# Altium PCB Luchador Pcb.PcbDoc (part 1 of 4) (continued)
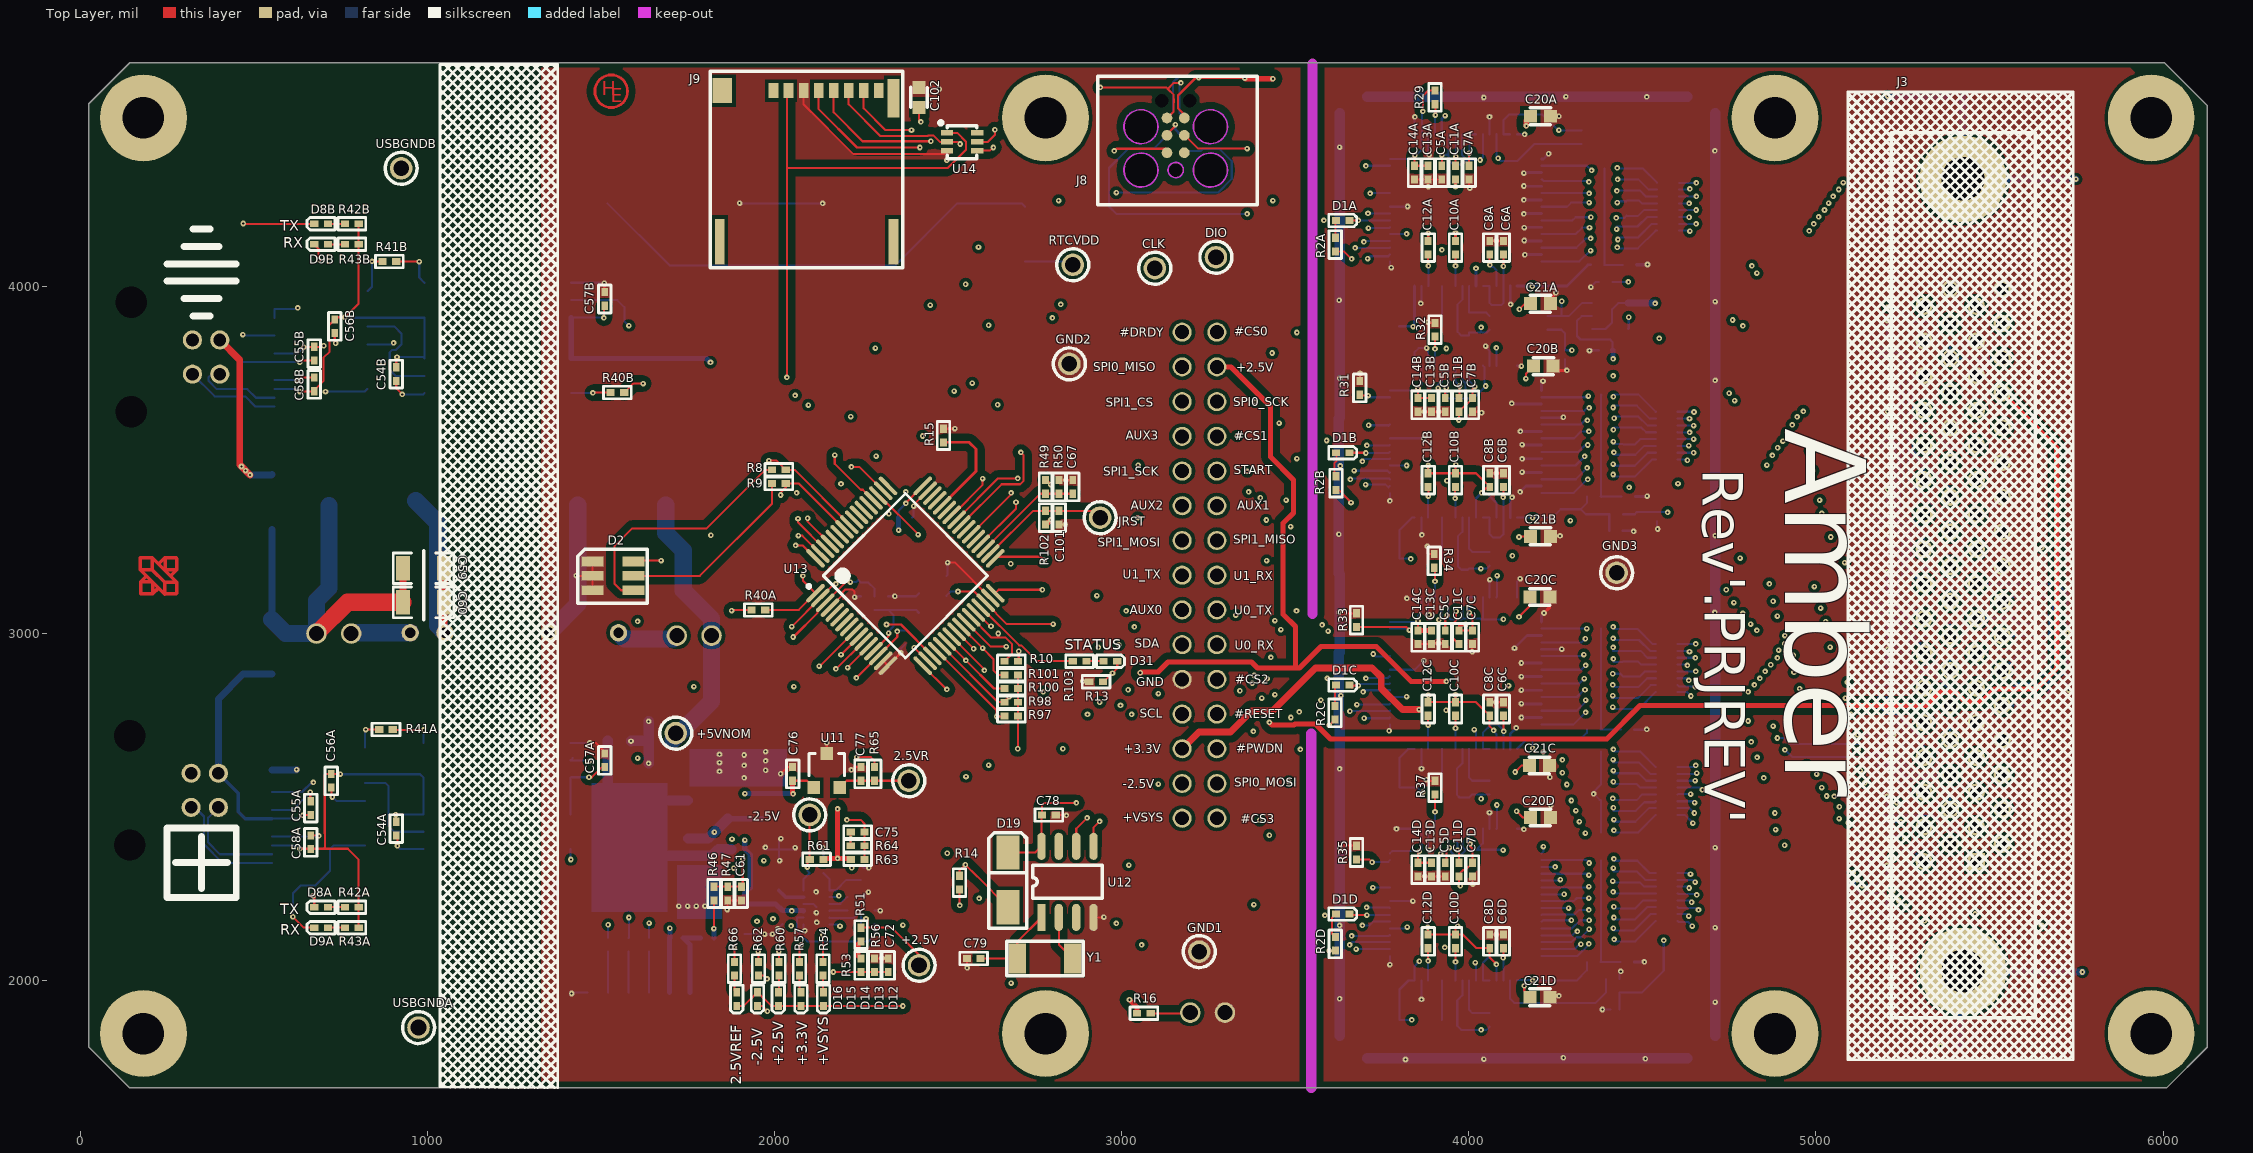
[diagram p0: Top Layer view]
## Part data (continued)
C5A C5B C5C C5D C7A C7B C7C C7D C10A C10B C10C C10D C12A C12B C12C C12D C13A C13B C13C C13D C47 C49 C54A C54B C55A C55B C56A C56B C57A C57B C58A C58B C61 C67 C70 C72 C73 C75 C76 C77 C78 C95 C98: library part Cap, "CAP .1UF 50V CERAMIC Y5V 0805", Capacitance=1µF, Manufacturer=TDK, Manufacturer Part Number=CGB2A1JB1C105K033BC, Operating Temperature="-25°C ~ 85°C", Package / Case="0402 (1005 Metric)", PCN Part Number="MLCC Part Number Change 30/Nov/2012", Standard Package=1, Supplier Part Number 1=445-12011-1-ND, Temperature Coefficient=JB, Tolerance=±10%, Voltage - Rated=16V, Applications="General Purpose", Category=Capacitors, ComponentLink1Description=https://product.tdk.com/info/en/catalog/datasheets/mlcc_commercial_lowprofile_en.pdf, ComponentLink1URL=https://product.tdk.com/info/en/catalog/datasheets/mlcc_commercial_lowprofile_en.pdf, ComponentLink2Description=https://product.tdk.com/info/en/catalog/spec/mlccspec_commercial_lowprofile_en.pdf, ComponentLink2URL=https://product.tdk.com/info/en/catalog/spec/mlccspec_commercial_lowprofile_en.pdf, ComponentLink3Description=http://product.tdk.com/en/catalog/datasheets/mlcc_commercial_lowprofile_en.pdf, ComponentLink3URL=http://product.tdk.com/en/catalog/datasheets/mlcc_commercial_lowprofile_en.pdf, Description1="1µF ±10% 16V JB Ceramic Capacitor -25°C ~ 85°C Surface Mount, MLCC 0402 (1005 Metric) 0.039\" L x 0.020\" W (1.00mm x 0.50mm)", EDA / CAD Models="Download from Accelerated Designs", Family="Ceramic Capacitors", Featured Product="CGB Series Capacitors CH and JB Temperature Coefficient Capacitors", Features="Low Profile", Mounting Type="Surface Mount, MLCC", Online Catalog="CGB Series", Other Names=445-12011-6, Packaging=Digi-Reel®, Pricing 1="1=0.22, 10=0.151, 100=0.0765, 500=0.0523, 1000=0.0463, 2500=0.0443, 5000=0.0403 (USD)", Product Training Modules="SEAT, CCV, and TVCL Design Tools Guide to Replacing an Electrolytic Capacitor with an MLCC", Revision="July-2002: Re-released for DXP Platform.", RoHS Information="RoHS Certificate-MLCC", Series=CGB, Size / Dimension="0.039\" L x 0.020\" W (1.00mm x 0.50mm)", Stock 1=7430, Supplier 1=Digi-Key, Thickness (Max)="0.013\" (0.33mm)"
C9A C9B C9C C9D: "Polarized Capacitor (Radial)", Capacitance="100 uF", Case Code - in=1411, Case Code - mm=6032, Case Length="3.5 mm", Case Width="2.8 mm", Manufacturer=KEMET, Manufacturer Part Number=T520T107M004ATE070, Mfr Case Code="T Case", Operating Temperature Range="- 55 C to + 105 C", Package / Case="1411 (3528 metric)", Supplier Part Number 1=399-5289-1-ND, Tolerance="20 %", Voltage Rating="4 V", Brand=Kemet, ComponentLink1Description=https://datasheet.ciiva.com/260/kem-t2015-t520-260217.pdf, ComponentLink1URL=https://datasheet.ciiva.com/260/kem-t2015-t520-260217.pdf, ComponentLink2Description=https://datasheet.ciiva.com/260/kem-t2015-t520-260218.pdf, ComponentLink2URL=https://datasheet.ciiva.com/260/kem-t2015-t520-260218.pdf, ComponentLink3Description=https://datasheet.ciiva.com/260/kem-t2015-t520-260219.pdf, ComponentLink3URL=https://datasheet.ciiva.com/260/kem-t2015-t520-260219.pdf, Description1="CAP TANT POLY 100UF 4V 1411", Dimensions="2.8 mm W x 3.5 mm L", ESR="70 mOhms", Factory Pack Quantity=2500, Height="1.2 mm", Packaging=Reel, Pricing 1="1=1.61, 10=1.268, 100=0.9509, 500=0.7185, 1000=0.6339 (USD)", Product="Tantalum Organic Polymer Low ESR", Product Category="Tantalum Capacitors - Polymer SMD", RoHS=Details, Series="T520, PSL", Stock 1=31834, Supplier 1=Digi-Key, Termination Style=SMD/SMT, Tradename=KO-CAP, Type="Conductive Polymer Chip Capacitors", Voltage Rating DC="4 V"
C15 C53: library part Cap, "CAP .1UF 50V CERAMIC Y5V 0805", Capacitance="4700 pF", Case Size/Dimension=0402, Dielectric=X7R, Manufacturer=Murata, Manufacturer Part Number=GCM155R71H472KA37D, Rated Voltage="50 V", Supplier Part Number 1=490-4915-1-ND, Tolerance (%)="±10 %", ComponentLink1Description=https://datasheet.ciiva.com/26843/getdatasheetpartid-724237-26843665.pdf, ComponentLink1URL=https://datasheet.ciiva.com/26843/getdatasheetpartid-724237-26843665.pdf, ComponentLink2Description=https://datasheet.ciiva.com/17453/product-17453667.pdf, ComponentLink2URL=https://datasheet.ciiva.com/17453/product-17453667.pdf, ComponentLink3Description=https://datasheet.ciiva.com/2989/product-2989236.pdf, ComponentLink3URL=https://datasheet.ciiva.com/2989/product-2989236.pdf, ComponentLink4Description=https://datasheet.ciiva.com/155/product-155869.pdf, ComponentLink4URL=https://datasheet.ciiva.com/155/product-155869.pdf, ComponentLink5Description=https://datasheet.ciiva.com/16440/product-16440397.pdf, ComponentLink5URL=https://datasheet.ciiva.com/16440/product-16440397.pdf, ComponentLink6Description=https://datasheet.ciiva.com/155/product-155870.pdf, ComponentLink6URL=https://datasheet.ciiva.com/155/product-155870.pdf, ComponentLink7Description=https://datasheet.ciiva.com/155/product-155871.pdf, ComponentLink7URL=https://datasheet.ciiva.com/155/product-155871.pdf, Description1="CAP CER 4700PF 50V X7R 0402", Pricing 1="1=0.1, 10=0.047, 100=0.021, 500=0.015, 1000=0.0118, 2500=0.0107, 5000=0.0099 (USD)", Revision="July-2002: Re-released for DXP Platform.", Stock 1=100000, Supplier 1=Digi-Key
C16 C17 C19: "Polarized Capacitor (Radial)", Capacitance=150µF, ESR (Equivalent Series Resistance)="5 mOhm", Lifetime @ Temp.="2000 Hrs @ 105°C", Manufacturer=KEMET, Manufacturer Part Number=T530D157M010ATE005, Manufacturer Size Code=D, Operating Temperature="-55°C ~ 125°C", Package / Case="2917 (7343 Metric)", Standard Package=500, Supplier Part Number 1=399-10369-1-ND, Tolerance=±20%, Voltage - Rated=10V, Category=Capacitors, Description1="Cap Tant Organic 150uF 10VDC D CASE 20% (7.3 X 4.3 X 2.8mm) SMD 7343-31 0.005 Ohm 125C T/R", EDA / CAD Models="Download from Accelerated Designs", Family="Tantalum - Polymer Capacitors", Featured Product="KO-CAP Organic Polymer Capacitors  T530 Series Polymer Electrolytic Capacitors", Features="General Purpose", Height - Seated (Max)="0.122\" (3.10mm)", Lead Spacing=-, Mounting Type="Surface Mount", Online Catalog="KO Cap T530 Series", Other Names=399-10369-2, Packaging="Tape & Reel (TR)", PCN Design/Specification="TA Polymer SMD Black Epoxy Conversion 24/Oct/2014", Pricing 1="1=5.98, 10=5.313, 100=4.2504 (USD)", Series="KO-CAP T530", Size / Dimension="0.287\" L x 0.169\" W (7.30mm x 4.30mm)", Stock 1=6616, Supplier 1=Digi-Key, Type=Molded
C18 C59 C60 C62 C63 C68 C69: library part Cap, "CAP .1UF 50V CERAMIC Y5V 0805", Capacity (elec.)="10 µF", Manufacturer=Murata, Manufacturer Part Number=GRM31CR71C106KA12L, Nominal voltage="16 V", Supplier Part Number 1=490-10526-2-ND, Tolerance="10 %", Category="Ceramic capacitor", ComponentLink1Description=https://datasheet.ciiva.com/22774/608985-22774038.pdf, ComponentLink1URL=https://datasheet.ciiva.com/22774/608985-22774038.pdf, ComponentLink2Description=https://datasheet.ciiva.com/17454/c02e-17454536.pdf, ComponentLink2URL=https://datasheet.ciiva.com/17454/c02e-17454536.pdf, ComponentLink3Description=https://datasheet.ciiva.com/11607/c02e-11607499.pdf, ComponentLink3URL=https://datasheet.ciiva.com/11607/c02e-11607499.pdf, ComponentLink4Description=https://datasheet.ciiva.com/18697/c02e-18697819.pdf, ComponentLink4URL=https://datasheet.ciiva.com/18697/c02e-18697819.pdf, ComponentLink5Description=https://datasheet.ciiva.com/7937/608985-7937740.pdf, ComponentLink5URL=https://datasheet.ciiva.com/7937/608985-7937740.pdf, ComponentLink6Description=https://datasheet.ciiva.com/18697/c02e-18697820.pdf, ComponentLink6URL=https://datasheet.ciiva.com/18697/c02e-18697820.pdf, ComponentLink7Description=https://datasheet.ciiva.com/18697/c02e-18697821.pdf, ComponentLink7URL=https://datasheet.ciiva.com/18697/c02e-18697821.pdf, ComponentLink8Description=https://datasheet.ciiva.com/29202/451342-da-01-de-vs-kondens-grm31-cr71c-106ka12l-29202404.pdf, ComponentLink8URL=https://datasheet.ciiva.com/29202/451342-da-01-de-vs-kondens-grm31-cr71c-106ka12l-29202404.pdf, ComponentLink9Description=https://datasheet.ciiva.com/29202/450988-da-01-de-vs-chip-kond-1206-10-0-uf-10pr-16-0v-x7r-29202582.pdf, ComponentLink9URL=https://datasheet.ciiva.com/29202/450988-da-01-de-vs-chip-kond-1206-10-0-uf-10pr-16-0v-x7r-29202582.pdf, Content="1 pc(s)", Description1="MURATA   GRM31CR71C106KA12L   SMD Multilayer Ceramic Capacitor, 10 F,  10%, X7R, 16 V, 1206 [3216 Metric]", Material=Ceramic, Material properties=X7R, Pricing 1="2000=0.08 (USD)", Revision="July-2002: Re-released for DXP Platform.", Stock 1=0, Supplier 1=Digi-Key, Type=SMD
C48 C50: library part Cap, "CAP .1UF 50V CERAMIC Y5V 0805", Capacitance="0.01 uF", Case Code - in=0402, Case Code - mm=1005, Dielectric=X7R, Manufacturer="American Technical Ceramics", Manufacturer Part Number=520L103KT16T, Maximum Operating Temperature="+ 125 C", Minimum Operating Temperature="- 55 C", Package / Case="0402 (1005 metric)", Supplier Part Number 1=1284-1540-1-ND, Tolerance="10 %", Voltage Rating DC="16 VDC", Brand="American Technical Ceramics (ATC)", ComponentLink1Description=https://datasheet.ciiva.com/15214/getdatasheetpartid-566935-15214265.pdf, ComponentLink1URL=https://datasheet.ciiva.com/15214/getdatasheetpartid-566935-15214265.pdf, ComponentLink2Description=https://datasheet.ciiva.com/24070/520l-261941-24070397.pdf, ComponentLink2URL=https://datasheet.ciiva.com/24070/520l-261941-24070397.pdf, Description1="Multilayer Ceramic Capacitors MLCC - SMD/SMT 16volts 0.01uF 10%", Factory Pack Quantity=1000, Packaging=Reel, Part # Aliases="520L103KT ATC520L103KT ATC520L103KT16T", Pricing 1="1=0.98, 10=0.748, 100=0.535 (USD)", Product="RF Microwave / High Q", Product Category="Multilayer Ceramic Capacitors MLCC - SMD/SMT", Revision="July-2002: Re-released for DXP Platform.", RoHS=Details, Series=520L, Stock 1=206115, Supplier 1=Digi-Key, Termination Style=SMD/SMT, Type="Broadband Multilayer Capacitor"
C71 C74: library part Cap, "CAP .1UF 50V CERAMIC Y5V 0805", Capacitance Value="2.2 uF", Dielectric=X5R, Manufacturer=Samsung, Manufacturer Part Number=CL05A225KO5NQNC, Operating Temperature="-55 to 85 °C", Package/Case=0402, Supplier Part Number 1=1276-1461-1-ND, Tolerance="10 %", Voltage="16 Vdc", Category="Capacitor Ceramic Multilayer", ComponentLink1Description=https://datasheet.ciiva.com/26838/getdatasheetpartid-357511-26838176.pdf, ComponentLink1URL=https://datasheet.ciiva.com/26838/getdatasheetpartid-357511-26838176.pdf, ComponentLink2Description=https://datasheet.ciiva.com/25724/cl05a225ko5nqnc-25724388.pdf, ComponentLink2URL=https://datasheet.ciiva.com/25724/cl05a225ko5nqnc-25724388.pdf, Construction=Flat, Description1="Cap Ceramic 2.2uF 16V X5R 10% SMD 0402 85C Cardboard T/R", Mounting="Surface Mount", Packaging="Tape & Reel", Pricing 1="1=0.58, 10=0.41, 100=0.27, 500=0.2, 1000=0.17, 2500=0.16, 5000=0.15 (USD)", Product Depth="0.5 mm", Product Height="0.5 mm", Product Length="1 mm", Rad Hard=No, Revision="July-2002: Re-released for DXP Platform.", Stock 1=100000, Supplier 1=Digi-Key
C79: library part Cap, "CAP .1UF 50V CERAMIC Y5V 0805", Capacitance="15 pF", Dielectric="C0G (NP0)", Manufacturer=Johanson, Manufacturer Part Number=500R07N150JV4T, Maximum Operating Temperature="+ 125 C", Minimum Operating Temperature="- 55 C", Supplier Part Number 1=709-1118-1-ND, Tolerance="5 %", Voltage Rating DC="50 VDC", Brand="Johanson Dielectrics", ComponentLink1Description=https://datasheet.ciiva.com/26934/getdatasheetpartid-85139-26934162.pdf, ComponentLink1URL=https://datasheet.ciiva.com/26934/getdatasheetpartid-85139-26934162.pdf, Description1="Cap Ceramic 15pF 50V C0G 5% SMD 0402 125C Paper T/R", Factory Pack Quantity=10000, Packaging=Reel, Pricing 1="1=0.14, 10=0.103, 100=0.0458, 500=0.0327, 1000=0.0257, 2500=0.0233, 5000=0.0215 (USD)", Product="General Type MLCCs", Product Category="Multilayer Ceramic Capacitors MLCC - SMD/SMT", Revision="July-2002: Re-released for DXP Platform.", RoHS=Details, Stock 1=100000, Supplier 1=Digi-Key, Type="Surface Mount MLCC"
D1A D1B D1C D1D: "Typical INFRARED GaAs LED", If - Forward Current="30 mA", Illumination Color=Orange, Lens Color/Style="Water Clear", Manufacturer=Vishay, Manufacturer Part Number=VLMO1500-GS08, Maximum Operating Temperature="+ 85 C", Minimum Operating Temperature="- 30 C", Package / Case="0402 (1005 metric)", Power Rating="75 mW", Supplier Part Number 1=VLMO1500-GS08CT-ND, Vf - Forward Voltage="2 V", Wavelength/Color Temperature="605 nm", Brand="Vishay Semiconductors", ComponentLink1Description=https://datasheet.ciiva.com/13945/vlmo1500-13945355.pdf, ComponentLink1URL=https://datasheet.ciiva.com/13945/vlmo1500-13945355.pdf, ComponentLink2Description=https://datasheet.ciiva.com/13945/vlmo1500-13945356.pdf, ComponentLink2URL=https://datasheet.ciiva.com/13945/vlmo1500-13945356.pdf, ComponentLink3Description=https://datasheet.ciiva.com/13945/vlmo1500-13945357.pdf, ComponentLink3URL=https://datasheet.ciiva.com/13945/vlmo1500-13945357.pdf, Description1="Standard LEDs - SMD 0402 SOFT ORANGE Non-Diff", Factory Pack Quantity=9000, Height="0.35 mm", Length="1 mm", Luminous Intensity="90 mcd", Mounting Style=SMD/SMT, Packaging=Reel, Pricing 1="1=0.53, 10=0.38, 25=0.2916, 100=0.1901, 250=0.1394, 500=0.1183, 1000=0.0972 (USD)", Product Category="Standard LEDs - SMD", RoHS=True, Series=VLMx, Stock 1=194938, Supplier 1=Digi-Key, Tradename=ChipLED, Viewing Angle="130 deg", Width="0.5 mm"
D2: Color="Red, Green, Blue (RGB)", Current - Test="20mA Red, 20mA Green, 20mA Blue", Lens Color=-, Manufacturer="Broadcom Avago", Manufacturer Part Number=ASMB-TTB0-0A3A2, Millicandela Rating="790mcd Red, 2400mcd Green, 500mcd Blue", Package / Case="6-SMD, J-Lead", Supplier Device Package=6-PLCC, Supplier Part Number 1=516-3281-1-ND, Voltage - Forward (Vf) (Typ)="2.1V Red, 3.1V Green, 3.1V Blue", Category=Optoelectronics, Description1="BROADCOM LIMITED   ASMB-TTB0-0A3A2   LED, RGB, Red, Green, Blue, R 790mcd, G 2.4cd, B 500mcd, 115 , R 2.1V, G 3.1V, B 3.1V", Family="LED Indication - Discrete", Features=-, Height (Max)=2.80mm, Lens Style/Size="Round with Flat Top", Lens Transparency=Diffused, Mounting Type="Surface Mount", Packaging="Tape & Reel (TR)", Pricing 1="1=1.57, 10=1.272, 25=0.9788, 100=0.8809, 250=0.783, 500=0.6656, 1000=0.5481 (USD)", Series=-, Size / Dimension="3.50mm L x 3.50mm W", Stock 1=165716, Supplier 1=Digi-Key, Viewing Angle=115°, Wavelength - Dominant="621nm Red, 530nm Green, 470nm Blue", Wavelength - Peak="635nm Red, 521nm Green, 464nm Blue"
D6 D7 D20: Manufacturer="Texas Instruments", Supplier Part Number 1=296-47864-1-ND, Manufacturer Part Number=TPD1E0B04DPYR, Pricing 1="1=0.43, 10=0.346, 100=0.2353, 500=0.1765, 1000=0.1324 (USD)", Stock 1=6850, Supplier 1=Digi-Key
D8A D8B D9A D9B D12 D13 D14 D15 D16 D31: library part LED0_1, "Typical INFRARED GaAs LED", If - Forward Current="30 mA", Illumination Color=Orange, Lens Color/Style="Water Clear", Manufacturer=Vishay, Manufacturer Part Number=VLMO1500-GS08, Maximum Operating Temperature="+ 85 C", Minimum Operating Temperature="- 30 C", Package / Case="0402 (1005 metric)", Power Rating="75 mW", Supplier Part Number 1=VLMO1500-GS08CT-ND, Vf - Forward Voltage="2 V", Wavelength/Color Temperature="605 nm", Brand="Vishay Semiconductors", ComponentLink1Description=https://datasheet.ciiva.com/13945/vlmo1500-13945355.pdf, ComponentLink1URL=https://datasheet.ciiva.com/13945/vlmo1500-13945355.pdf, ComponentLink2Description=https://datasheet.ciiva.com/13945/vlmo1500-13945356.pdf, ComponentLink2URL=https://datasheet.ciiva.com/13945/vlmo1500-13945356.pdf, ComponentLink3Description=https://datasheet.ciiva.com/13945/vlmo1500-13945357.pdf, ComponentLink3URL=https://datasheet.ciiva.com/13945/vlmo1500-13945357.pdf, Description1="Standard LEDs - SMD 0402 SOFT ORANGE Non-Diff", Factory Pack Quantity=9000, Height="0.35 mm", Length="1 mm", Luminous Intensity="90 mcd", Mounting Style=SMD/SMT, Packaging=Reel, Pricing 1="1=0.53, 10=0.38, 25=0.2916, 100=0.1901, 250=0.1394, 500=0.1183, 1000=0.0972 (USD)", Product Category="Standard LEDs - SMD", RoHS=True, Series=VLMx, Stock 1=194938, Supplier 1=Digi-Key, Tradename=ChipLED, Viewing Angle="130 deg", Width="0.5 mm"
D10 D11 D18 D19: "Schottky Rectifier", Capacitance @ Vr, F="200pF @ 4V, 1MHz", Current - Average Rectified (Io)=3A, Current - Reverse Leakage @ Vr="500µA @ 40V", Manufacturer="Diodes Incorporated", Manufacturer Part Number=B340A-13-F, Operating Temperature - Junction="-55°C ~ 150°C", Package / Case="DO-214AC, SMA", Supplier Device Package=SMA, Supplier Part Number 1=B340A-FDICT-ND, Voltage - DC Reverse (Vr) (Max)=40V, Voltage - Forward (Vf) (Max) @ If="500mV @ 3A", Category="Discrete Semiconductor Products", ComponentLink1Description=http://www.diodes.com/_files/datasheets/ds30891.pdf, ComponentLink1URL=http://www.diodes.com/_files/datasheets/ds30891.pdf, Description1="DIODE SCHOTTKY 40V 3A SMA", Diode Type=Schottky, Mounting Type="Surface Mount", Packaging="Cut Tape (CT)", Part Status=Active, Pricing 1="1=0.42, 10=0.339, 100=0.231, 500=0.1729, 1000=0.1295 (USD)", Reverse Recovery Time (trr)=-, RoHS="RoHS Compliant", Speed="Fast Recovery =< 500ns, > 200mA (Io)", Stock 1=304487, Supplier 1=Digi-Key
J1: Manufacturer="Harwin Inc", Operating Temperature=-, Supplier Part Number 1=952-1735-2-ND, Battery Cell Size="Coin, 20.0mm", Battery Series="2016, 2020, 2025, 2032", Battery Type, Function="Coin Cell, Retainer", Category="Battery Products", ComponentLink1Description=http://www.harwin.com/include/downloads/drawings/S8211R.PDF, ComponentLink1URL=http://www.harwin.com/include/downloads/drawings/S8211R.PDF, Description 1="HOLDER BATT COIN CR2032/20MM", Height Above Board="0.157\" (4mm)", Manufacturer Part Number=S8211-46R, Mounting Type="PCB, Surface Mount", Number of Cells=1, Pricing 1="550=0.4716, 1100=0.4192, 1650=0.3799, 2750=0.34846, 5500=0.3406, 13750=0.3275, 27500=0.32095, 55000=0.3144 (USD)", RoHS="RoHS Compliant", Stock 1=550, Style=Retainer, Supplier 1=Digi-Key, Termination Style="SMD (SMT) Tab"
J2: library part 0874370673, Manufacturer=Molex, Supplier Part Number 1=WM7141CT-ND, Category="Connector Headers and PCB Receptacles", Contact Plating="Tin Over Nickel", Description1="Conn Shrouded Header HDR 6 POS 1.5mm Solder ST SMD Embossed T/R", Gender=HDR, Manufacturer Part Number=0874370673, Number of Contacts=6, Number of Rows=1, Pitch="1.5 mm", Pricing 1="1=1.29, 10=1.131, 100=0.976 (USD)", Stock 1=9106, Supplier 1=Digi-Key, Termination Method=Solder, Type="Shrouded Header"
J3: Manufacturer="AMP - TE CONNECTIVITY", Manufacturer Part Number=5749070-7, Supplier Part Number 1=A31822-ND, Pricing 1="1=12.95, 16=11.7763, 32=11.4816, 56=10.5984, 104=10.0096, 256=9.1264, 504=8.5376, 1000=7.831 (USD)", Stock 1=836, Supplier 1=Digi-Key
J5 J6: library part MUSBD111M0, Current Rating=1.5A, Insulation Color=White, Manufacturer="Amphenol Commercial Products", Material Flammability Rating="UL94 V-0", Operating Temperature="-40°C ~ 105°C", Supplier Part Number 1=MUSBD111M0-ND, Voltage - Rated=-, Category="Connectors, Interconnects", ComponentLink1Description=https://www.amphenolcanada.com/ProductSearch/drawings/AC/MUSBD111XX.pdf, ComponentLink1URL=https://www.amphenolcanada.com/ProductSearch/drawings/AC/MUSBD111XX.pdf, Connector Type="USB - B", Contact Finish=Gold, Description1="CONN RECPT RUGGED USB B IP67", Features="Board Guide", Gender=Receptacle, Ingress Protection="IP67 - Dust Tight, Waterproof", Manufacturer Part Number=MUSBD111M0, Mating Cycles=1500, Mounting Feature="Flange, Horizontal", Mounting Type="Panel Mount, Through Hole, Right Angle", Number of Contacts=4, Packaging=Bulk, Part Status=Active, Pricing 1="1=9.81, 10=9.385, 25=8.532, 50=8.1054, 100=7.8921, 250=7.03892, 500=6.6123, 1000=6.162 (USD)", RoHS="RoHS Compliant", Shell/Shielding Material="Copper Alloy", Shielding=Shielded, Specifications="USB 2.0", Stock 1=4176, Supplier 1=Digi-Key, Termination=Solder
J7: library part "Header 15X2", "Header, 15-Pin, Dual row", Manufacturer="Amphenol FCI", Manufacturer Part Number=67996-130HLF, Supplier Part Number 1=609-3456-ND, ComponentLink1Description=https://datasheet.ciiva.com/731/67996-731064.pdf, ComponentLink1URL=https://datasheet.ciiva.com/731/67996-731064.pdf, ComponentLink2Description=https://datasheet.ciiva.com/5154/67996-223389-5154298.pdf, ComponentLink2URL=https://datasheet.ciiva.com/5154/67996-223389-5154298.pdf, ComponentLink3Description=https://datasheet.ciiva.com/46396/1876884-46396011.pdf, ComponentLink3URL=https://datasheet.ciiva.com/46396/1876884-46396011.pdf, ComponentLink4Description=https://datasheet.ciiva.com/10119/67996-10119327.pdf, ComponentLink4URL=https://datasheet.ciiva.com/10119/67996-10119327.pdf, Contact Material="Phosphor Bronze", Contact Plating=Gold, Contact Termination="Through Hole Vertical", Description1="30 Positions Header, Unshrouded Connector 0.100\" (2.54mm) Through Hole Gold or Gold, GXT™", Gender=Header, No. of Contacts=30, No. of Rows=2, Pitch Spacing=2.54mm, Pricing 1="1=1.42, 10=1.29, 100=1.1057, 500=0.9214, 1000=0.7898, 5000=0.7003, 10000=0.6845 (USD)", Series=BergStik, Stock 1=2645, Supplier 1=Digi-Key
J8: library part "Header 6", "Header, 6-Pin"
J9: library part 503398-1892, Current Rating="500 mA", Manufacturer=Molex, Supplier Part Number 1=WM11190CT-ND, Voltage Rating="10 VAC/DC", Brand=Molex, ComponentLink1Description=https://datasheet.ciiva.com/23941/1740947-23941665.pdf, ComponentLink1URL=https://datasheet.ciiva.com/23941/1740947-23941665.pdf, ComponentLink2Description=https://datasheet.ciiva.com/16655/5033981892-memory-card-socket-16655604.pdf, ComponentLink2URL=https://datasheet.ciiva.com/16655/5033981892-memory-card-socket-16655604.pdf, ComponentLink3Description=https://datasheet.ciiva.com/29723/5033981892-sd-29723401.pdf, ComponentLink3URL=https://datasheet.ciiva.com/29723/5033981892-sd-29723401.pdf, ComponentLink4Description=https://datasheet.ciiva.com/22744/1740946-22744573.pdf, ComponentLink4URL=https://datasheet.ciiva.com/22744/1740946-22744573.pdf, Description1="Conn Micro SD Card SKT 8 POS 1.1mm Solder RA SMD 0.5A/Contact Embossed T/R", Factory Pack Quantity=2400, Manufacturer Part Number=503398-1892, Packaging=Reel, Pricing 1="1=2.53, 10=2.292, 25=2.1516, 50=2.0582, 100=1.9647, 250=1.7776, 500=1.6372, 1000=1.4033 (USD)", Product Category="Memory Card Connectors", RoHS=Details, Series=503398, Stock 1=31833, Supplier 1=Digi-Key
JP1 JP2 JP3: library part "Header 2", "Header, 2-Pin", Current Rating="3 A", Manufacturer="Wurth Electronics", Manufacturer Part Number=61300211121, Operating Temperature Range="- 40 C to + 125 C", Supplier Part Number 1=732-5315-ND, Voltage Rating="250 V", Brand="Wurth Electronics", Contact Gender="Pin (Male)", Contact Material="Copper Alloy", Contact Plating=Gold, Description1="Headers & Wire Housings WR-PHD 2.54mm Header 2P THT", Housing Material="Polybutylene Terephthalate (PBT)", Latching Type=Unlatched, Mounting Angle=Straight, Mounting Style="Through Hole", Number of Positions=2, Number of Positions / Contacts=2, Number of Rows=1, Packaging=Bulk, Pitch="2.54 mm", Pricing 1="1=0.13, 10=0.106, 25=0.088, 50=0.074, 100=0.067, 1000=0.061 (USD)", Product Category="Headers & Wire Housings", Product Type=Headers, RoHS=Details, Series=WR-PHD, Stock 1=53953, Supplier 1=Digi-Key, Termination Style="Through Hole", Type="Pin Strip"
OP1A OP1B OP2A OP2B: Current - DC Forward (If) (Max)=8mA, Manufacturer="Broadcom Limited", Operating Temperature="-40°C ~ 105°C", Package / Case="6-SOIC (0.180\", 4.58mm Width)", Supplier Device Package="6-SO Stretched", Supplier Part Number 1=516-2633-1-ND, Voltage - Forward (Vf) (Typ)=1.3V, Voltage - Isolation=5000Vrms, Voltage - Supply="2.7 V ~ 5.5 V", Category=Isolators, Common Mode Transient Immunity (Min)=20kV/µs, ComponentLink1Description=https://docs.broadcom.com/docs/AV02-2150EN, ComponentLink1URL=https://docs.broadcom.com/docs/AV02-2150EN, Data Rate=10MBd, Description1="OPTOISO 5KV PUSH PULL 6SO", Inputs - Side 1/Side 2=1/0, Input Type=DC, Manufacturer Part Number=ACPL-W61L-560E, Mounting Type="Surface Mount", Output Type="Push-Pull, Totem Pole", Packaging="Cut Tape (CT)", Part Status=Active, Pricing 1="1=3.6, 10=3, 25=2.52, 100=2.1598, 250=1.91984, 500=1.73986 (USD)", Propagation Delay tpLH / tpHL (Max)="80ns, 80ns", Rise / Fall Time (Typ)="12ns, 12ns", RoHS="RoHS Compliant", Stock 1=23625, Supplier 1=Digi-Key
PS1: Current - Output (Max)=200mA, Manufacturer=CUI, Operating Temperature="-40°C ~ 85°C", Package / Case="7-SIP Module (4 Leads)", Power (Watts) - Manufacture Series=1W, Standard Package=25, Supplier Part Number 1=102-1449-ND, Voltage - Input (Max)=5.5V, Voltage - Input (Min)=4.5V, Voltage - Isolation="6kV (6000V)", Voltage - Output 1=5V, Voltage - Output 2=-, 3D Model=VHS1-S5-S5-SIP, Applications=Medical, Category="Power Supplies - Board Mount", Description1="CONVERTER DC/DC 5V OUT 1W", Efficiency=72%, Family="DC DC Converters", Features=SCP, Manufacturer Part Number=VHS1-S5-S5-SIP, Mounting Type="Through Hole", Number of Outputs=1, Online Catalog="VHS1-SIP Series", Other Drawings="VHS1-SIP Series Bottom VHS1-SIP Series Side", Other Names="102-1449  656-90111R  VHS1S5S5SIP", Packaging=-, Power (Watts) - Max=1W, Pricing 1="1=8.47, 5=8.35, 12=8.2283, 36=7.9861, 60=7.744, 108=7.502, 252=7.26, 504=6.776 (USD)", Product Training Modules="Low Power DC-DC Converters EMI Regulations and Mitigation Considerations for Switching Power Supplies Reliability Considerations for Power Supplies Power Supply Safety Standards, Agencies and Marks Thermal Management of Power Supplies", RoHS Information="VHS1-SIP Series  Cert of Compliance", Series=VHS1-SIP, Size / Dimension="0.77\" L x 0.39\" W x 0.49\" H (19.5mm x 9.8mm x 12.5mm)", Stock 1=18932, Supplier 1=Digi-Key, Type="Isolated Module", Voltage - Output 3=-
R1A R1B R1C R1D R38: "Resistor", Case Size="0402 (1005 Metric)", Manufacturer=Panasonic, Manufacturer Part Number=EXB-2HV472JV, Power Dissipation="0.063 W", Resistance=4.7K, Supplier Part Number 1=Y1472CT-ND, Tolerance (%)="±5 %", Voltage Rating="50 V", ComponentLink1Description=https://datasheet.ciiva.com/19466/1387876-19466987.pdf, ComponentLink1URL=https://datasheet.ciiva.com/19466/1387876-19466987.pdf, ComponentLink2Description=https://datasheet.ciiva.com/28636/1790599-28636958.pdf, ComponentLink2URL=https://datasheet.ciiva.com/28636/1790599-28636958.pdf, ComponentLink3Description=https://datasheet.ciiva.com/30089/aoc0000ce1-30089086.pdf, ComponentLink3URL=https://datasheet.ciiva.com/30089/aoc0000ce1-30089086.pdf, Description1="Res Thick Film Array 4.7K Ohm 5% 1/4W ±200ppm/°C ISOL 16-Pin 1506(8 X 0402) Convex SMD Punched Carrier T/R", No of Elements=8, Pricing 1="1=0.29, 10=0.248, 25=0.1804, 50=0.1308, 100=0.097, 250=0.0744, 500=0.0586, 1000=0.0406 (USD)", Stock 1=49295, Supplier 1=Digi-Key
R2A R2B R2C R2D R5 R6 R7 R42A R42B R43A R43B R57 R60 R62 R66 R103: "Resistor", Manufacturer=Panasonic, Manufacturer Part Number=ERJ-2RKF1000X, Rated Power="0.1 W", Resistance=100R, Supplier Part Number 1=P100LCT-ND, Temp Coefficient="±100 ppm/°C", Tolerance (%)="±1 %", ComponentLink1Description=https://datasheet.ciiva.com/27056/2007311-27056035.pdf, ComponentLink1URL=https://datasheet.ciiva.com/27056/2007311-27056035.pdf, ComponentLink2Description=https://datasheet.ciiva.com/11821/0900766b80f80784-11821173.pdf, ComponentLink2URL=https://datasheet.ciiva.com/11821/0900766b80f80784-11821173.pdf, ComponentLink3Description=https://datasheet.ciiva.com/46372/1678782-46372741.pdf, ComponentLink3URL=https://datasheet.ciiva.com/46372/1678782-46372741.pdf, ComponentLink4Description=https://datasheet.ciiva.com/16199/aoa0000ce2-16199575.pdf, ComponentLink4URL=https://datasheet.ciiva.com/16199/aoa0000ce2-16199575.pdf, ComponentLink5Description=https://datasheet.ciiva.com/43467/1678782-43467223.pdf, ComponentLink5URL=https://datasheet.ciiva.com/43467/1678782-43467223.pdf, ComponentLink6Description=https://datasheet.ciiva.com/30260/aoa0000ce2-30260809.pdf, ComponentLink6URL=https://datasheet.ciiva.com/30260/aoa0000ce2-30260809.pdf, ComponentLink7Description=https://datasheet.ciiva.com/9186/aoa0000ce2-9186683.pdf, ComponentLink7URL=https://datasheet.ciiva.com/9186/aoa0000ce2-9186683.pdf, ComponentLink8Description=https://datasheet.ciiva.com/16776/70260748-16776427.pdf, ComponentLink8URL=https://datasheet.ciiva.com/16776/70260748-16776427.pdf, ComponentLink9Description=https://datasheet.ciiva.com/48531/aoa0000ce2-48531067.pdf, ComponentLink9URL=https://datasheet.ciiva.com/48531/aoa0000ce2-48531067.pdf, ComponentLink10Description=https://datasheet.ciiva.com/17207/aoa0000ce2-17207980.pdf, ComponentLink10URL=https://datasheet.ciiva.com/17207/aoa0000ce2-17207980.pdf, ComponentLink11Description=https://datasheet.ciiva.com/7830/426256-7830973.pdf, ComponentLink11URL=https://datasheet.ciiva.com/7830/426256-7830973.pdf, ComponentLink12Description=https://datasheet.ciiva.com/16522/aoa0000ce2-16522621.pdf, ComponentLink12URL=https://datasheet.ciiva.com/16522/aoa0000ce2-16522621.pdf, ComponentLink13Description=https://datasheet.ciiva.com/28514/1678782-28514175.pdf, ComponentLink13URL=https://datasheet.ciiva.com/28514/1678782-28514175.pdf, Description1="Res Thick Film 0402 100 Ohm 1% 0.1W(1/10W) ±100ppm/C Molded SMD Automotive T/R", Pricing 1="1=0.1, 10=0.056, 100=0.0227, 1000=0.0102, 2500=0.0089, 5000=0.0073 (USD)", Size Code=0402, Stock 1=14075966, Supplier 1=Digi-Key
R3 R4 R11A R11B R11C R11D R12A R12B R12C R12D R13 R14 R15 R44 R45 R48 R51 R61 R65: "Resistor", Manufacturer=Panasonic, Manufacturer Part Number=ERJ-2GE0R00X, Operating Temperature="-55°C ~ 155°C", Package / Case="0402 (1005 Metric)", Power (Watts)="0.1W, 1/10W", Resistance (Ohms)=0R, Standard Package=1, Supplier Device Package=0402, Supplier Part Number 1=P0.0JCT-ND, Temperature Coefficient=-, Tolerance=Jumper, Category=Resistors, ComponentLink1Description=https://datasheet.ciiva.com/48531/aoa0000ce1-48531077.pdf, ComponentLink1URL=https://datasheet.ciiva.com/48531/aoa0000ce1-48531077.pdf, ComponentLink2Description=https://datasheet.ciiva.com/16783/70260739-16783734.pdf, ComponentLink2URL=https://datasheet.ciiva.com/16783/70260739-16783734.pdf, ComponentLink3Description=https://datasheet.ciiva.com/11821/0900766b80f806dd-11821176.pdf, ComponentLink3URL=https://datasheet.ciiva.com/11821/0900766b80f806dd-11821176.pdf, ComponentLink4Description=https://datasheet.ciiva.com/17215/aoa0000ce1-17215386.pdf, ComponentLink4URL=https://datasheet.ciiva.com/17215/aoa0000ce1-17215386.pdf, ComponentLink5Description=https://datasheet.ciiva.com/43460/1678796-43460347.pdf, ComponentLink5URL=https://datasheet.ciiva.com/43460/1678796-43460347.pdf, ComponentLink6Description=https://datasheet.ciiva.com/5959/1678796-5959692.pdf, ComponentLink6URL=https://datasheet.ciiva.com/5959/1678796-5959692.pdf, ComponentLink7Description=https://datasheet.ciiva.com/30097/4aoa0000ce1-30097116.pdf, ComponentLink7URL=https://datasheet.ciiva.com/30097/4aoa0000ce1-30097116.pdf, ComponentLink8Description=https://datasheet.ciiva.com/28695/1678796-28695758.pdf, ComponentLink8URL=https://datasheet.ciiva.com/28695/1678796-28695758.pdf, ComponentLink9Description=https://datasheet.ciiva.com/46389/1678796-46389518.pdf, ComponentLink9URL=https://datasheet.ciiva.com/46389/1678796-46389518.pdf, ComponentLink10Description=https://datasheet.ciiva.com/16778/70260739-16778335.pdf, ComponentLink10URL=https://datasheet.ciiva.com/16778/70260739-16778335.pdf, Composition="Thick Film", Description1="Res Thick Film 0402 0 Ohm Molded SMD Automotive T/R", EDA / CAD Models="Download from Accelerated Designs", Family="Chip Resistor - Surface Mount", Features="Automotive AEC-Q200", Height="0.016\" (0.40mm)", Number of Terminations=2, Online Catalog="ERJ Series", Other Names=P0.0JDKR, Packaging=Digi-Reel®, Pricing 1="1=0.1, 10=0.037, 25=0.0268, 50=0.0204, 100=0.015, 250=0.0114, 500=0.0091, 1000=0.0067, 5000=0.0048 (USD)", Series=ERJ, Size / Dimension="0.039\" L x 0.020\" W (1.00mm x 0.50mm)", Stock 1=31263960, Supplier 1=Digi-Key
R8 R9 R10: "Resistor", Manufacturer=Yageo, Manufacturer Part Number=RC0402FR-0749R9L, Operating Temperature="-55°C ~ 155°C", Package / Case="0402 (1005 Metric)", Power (Watts)="0.063W, 1/16W", Resistance (Ohms)=49.9R, Standard Package=1, Supplier Device Package=0402, Supplier Part Number 1=311-49.9LRCT-ND, Temperature Coefficient=±100ppm/°C, Tolerance=±1%, Catalog Drawings="Thick Film Resistor Top Thick Film Resistor Side", Category=Resistors, Composition="Thick Film", Description1="RES SMD 49.9 OHM 1% 1/16W 0402", EDA / CAD Models="Download from Accelerated Designs", Family="Chip Resistor - Surface Mount", Features="Moisture Resistant", Height="0.016\" (0.40mm)", HTML Datasheet="RC Series, L Suffix Datasheet.html", Kits="PHL1-KIT-ND  - RESISTOR KIT 1-75 1/16W 850PCS", Number of Terminations=2, Online Catalog="RC0402 Series", Other Names=311-49.9LRCT, Packaging="Cut Tape (CT)", Pricing 1="1=0.1, 10=0.022, 100=0.009, 1000=0.004, 2500=0.0035, 5000=0.0029 (USD)", Product Training Modules="Chip Resistor", Series=RC, Size / Dimension="0.039\" L x 0.020\" W (1.00mm x 0.50mm)", Stock 1=22199663, Supplier 1=Digi-Key
R16 R29 R31 R32 R33 R34 R35 R37 R55 R97 R98 R100 R101 R102: "Resistor", Manufacturer=Samsung, Manufacturer Part Number=RC1005F103CS, Rated Power="0.063 W", Resistance=10k, Supplier Part Number 1=1276-3431-1-ND, Temp Coefficient="±100 ppm/°C", Tolerance (%)="±1 %", ComponentLink1Description=https://datasheet.ciiva.com/15196/getdatasheetpartid-504789-15196214.pdf, ComponentLink1URL=https://datasheet.ciiva.com/15196/getdatasheetpartid-504789-15196214.pdf, ComponentLink2Description=https://datasheet.ciiva.com/16481/rcseries-16481007.pdf, ComponentLink2URL=https://datasheet.ciiva.com/16481/rcseries-16481007.pdf, Description1="Res Thick Film 0402 10K Ohm 1% 0.063W(1/16W) ±100ppm/C Molded SMD T/R", Pricing 1="1=0.1, 10=0.021, 100=0.0087, 1000=0.0039, 2500=0.0034, 5000=0.0028 (USD)", Size Code=0402, Stock 1=15935883, Supplier 1=Digi-Key
R28 R36 R39: "Resistor", Case Size=0402, Case Style=Molded, Manufacturer=Samsung, Manufacturer Part Number=RC1005F472CS, Operating Temperature="-55 to 155 °C", Power Rating="1/16 W", Resistance Value=4.7k, Supplier Part Number 1=1276-3466-1-ND, Temperature Coefficient="±100 ppm/°C", Tolerance="1 %", ComponentLink1Description=https://datasheet.ciiva.com/15196/getdatasheetpartid-636616-15196228.pdf, ComponentLink1URL=https://datasheet.ciiva.com/15196/getdatasheetpartid-636616-15196228.pdf, ComponentLink2Description=https://datasheet.ciiva.com/26185/chip-resistor-150112-1-26185621.pdf, ComponentLink2URL=https://datasheet.ciiva.com/26185/chip-resistor-150112-1-26185621.pdf, Description1="Res Thick Film 0402 4.7K Ohm 1% 1/16W ±100ppm/C Molded SMD T/R", Lead Finish=Tin, Packaging="Tape & Reel", Pricing 1="1=0.1, 10=0.021, 100=0.0087, 1000=0.0039, 2500=0.0034, 5000=0.0028 (USD)", Rad Hard=No, Stock 1=3257499, Supplier 1=Digi-Key, Type="Thick Film"
R30: "Resistor", Manufacturer=Panasonic, Manufacturer Part Number=ERJ-2RKF2003X, Rated Power="0.1 W", Resistance=200k, Supplier Part Number 1=P200KLCT-ND, Temp Coefficient="±100 ppm/°C", Tolerance (%)="±1 %", ComponentLink1Description=https://datasheet.ciiva.com/5868/426256-5868117.pdf, ComponentLink1URL=https://datasheet.ciiva.com/5868/426256-5868117.pdf, ComponentLink2Description=https://datasheet.ciiva.com/24073/aoa0000ce2-24073141.pdf, ComponentLink2URL=https://datasheet.ciiva.com/24073/aoa0000ce2-24073141.pdf, ComponentLink3Description=https://datasheet.ciiva.com/46387/426256-46387157.pdf, ComponentLink3URL=https://datasheet.ciiva.com/46387/426256-46387157.pdf, ComponentLink4Description=https://datasheet.ciiva.com/11821/0900766b80f80784-11821224.pdf, ComponentLink4URL=https://datasheet.ciiva.com/11821/0900766b80f80784-11821224.pdf, ComponentLink5Description=https://datasheet.ciiva.com/48531/aoa0000ce2-48531064.pdf, ComponentLink5URL=https://datasheet.ciiva.com/48531/aoa0000ce2-48531064.pdf, ComponentLink6Description=https://datasheet.ciiva.com/28675/1678782-28675803.pdf, ComponentLink6URL=https://datasheet.ciiva.com/28675/1678782-28675803.pdf, ComponentLink7Description=https://datasheet.ciiva.com/16775/70260748-16775805.pdf, ComponentLink7URL=https://datasheet.ciiva.com/16775/70260748-16775805.pdf, ComponentLink8Description=https://datasheet.ciiva.com/46374/426256-46374221.pdf, ComponentLink8URL=https://datasheet.ciiva.com/46374/426256-46374221.pdf, ComponentLink9Description=https://datasheet.ciiva.com/16759/70260748-16759806.pdf, ComponentLink9URL=https://datasheet.ciiva.com/16759/70260748-16759806.pdf, Description1="Res Thick Film 0402 200K Ohm 1% 0.1W(1/10W) ±100ppm/C Molded SMD Automotive T/R", Pricing 1="1=0.1, 10=0.056, 100=0.0227, 1000=0.0102, 2500=0.0089, 5000=0.0073 (USD)", Size Code=0402, Stock 1=1535285, Supplier 1=Digi-Key
R40A R40B R41A R41B: "Resistor", Manufacturer=Panasonic, Manufacturer Part Number=ERJ-2RKF3300X, Power Rating=100mW, Resistance=330R, Resistance Tolerance="± 1%", Resistor Case Style="0402 [1005 Metric]", Resistor Element Material="Thick Film", Resistor Mounting=SMD, Resistor Terminals=Wraparound, Supplier Part Number 1=P330LCT-ND, Temperature Coefficient="± 100ppm/°C", Voltage Rating=50V, ComponentLink1Description=https://datasheet.ciiva.com/11821/0900766b80f80784-11821296.pdf, ComponentLink1URL=https://datasheet.ciiva.com/11821/0900766b80f80784-11821296.pdf, ComponentLink2Description=https://datasheet.ciiva.com/16765/70260748-16765702.pdf, ComponentLink2URL=https://datasheet.ciiva.com/16765/70260748-16765702.pdf, ComponentLink3Description=https://datasheet.ciiva.com/17206/aoa0000ce2-17206150.pdf, ComponentLink3URL=https://datasheet.ciiva.com/17206/aoa0000ce2-17206150.pdf, ComponentLink4Description=https://datasheet.ciiva.com/30088/aoa0000ce2-30088246.pdf, ComponentLink4URL=https://datasheet.ciiva.com/30088/aoa0000ce2-30088246.pdf, ComponentLink5Description=https://datasheet.ciiva.com/6138/aoa0000ce2-6138743.pdf, ComponentLink5URL=https://datasheet.ciiva.com/6138/aoa0000ce2-6138743.pdf, ComponentLink6Description=https://datasheet.ciiva.com/46373/1678782-46373913.pdf, ComponentLink6URL=https://datasheet.ciiva.com/46373/1678782-46373913.pdf, ComponentLink7Description=https://datasheet.ciiva.com/7887/aoa0000ce2-7887018.pdf, ComponentLink7URL=https://datasheet.ciiva.com/7887/aoa0000ce2-7887018.pdf, ComponentLink8Description=https://datasheet.ciiva.com/46373/1678782-46373914.pdf, ComponentLink8URL=https://datasheet.ciiva.com/46373/1678782-46373914.pdf, ComponentLink9Description=https://datasheet.ciiva.com/16426/aoa0000ce2-16426749.pdf, ComponentLink9URL=https://datasheet.ciiva.com/16426/aoa0000ce2-16426749.pdf, ComponentLink10Description=https://datasheet.ciiva.com/7886/aoa0000ce2-7886718.pdf, ComponentLink10URL=https://datasheet.ciiva.com/7886/aoa0000ce2-7886718.pdf, ComponentLink11Description=https://datasheet.ciiva.com/22706/1678782-22706926.pdf, ComponentLink11URL=https://datasheet.ciiva.com/22706/1678782-22706926.pdf, Description1="Res Thick Film 0402 330 Ohm 1% 0.1W(1/10W) ±100ppm/C Molded SMD Automotive Punched T/R", MSL="(Not Applicable)", Packaging="Cut Tape", Pricing 1="1=0.1, 10=0.056, 100=0.0227, 1000=0.0102, 2500=0.0089, 5000=0.0073 (USD)", Product Range="PANASONIC - ERJ Series", Resistor Element Type="Thick Film", Stock 1=634394, Supplier 1=Digi-Key, SVHC="Diboron trioxide (19-Dec-2012)", SVHC (Secondary)="Lead monoxide (lead oxide) (19-Dec-2012)"
R46 R49 R50 R53 R56 R63: "Resistor", Manufacturer=Panasonic, Manufacturer Part Number=ERJ-2RKF1023X, Power Rating=100mW, Resistance=102k, Resistance Tolerance="± 1%", Resistor Case Style="0402 ^1005 Metric]", Resistor Element Type="Thick Film", Supplier Part Number 1=P102KLCT-ND, Temperature Coefficient="± 100ppm/°C", Voltage Rating=50V, ComponentLink1Description=https://datasheet.ciiva.com/16763/70260748-16763080.pdf, ComponentLink1URL=https://datasheet.ciiva.com/16763/70260748-16763080.pdf, ComponentLink2Description=https://datasheet.ciiva.com/43467/1678782-43467481.pdf, ComponentLink2URL=https://datasheet.ciiva.com/43467/1678782-43467481.pdf, ComponentLink3Description=https://datasheet.ciiva.com/9119/aoa0000ce2-9119242.pdf, ComponentLink3URL=https://datasheet.ciiva.com/9119/aoa0000ce2-9119242.pdf, ComponentLink4Description=https://datasheet.ciiva.com/7712/1678782-7712798.pdf, ComponentLink4URL=https://datasheet.ciiva.com/7712/1678782-7712798.pdf, ComponentLink5Description=https://datasheet.ciiva.com/16781/70260748-16781503.pdf, ComponentLink5URL=https://datasheet.ciiva.com/16781/70260748-16781503.pdf, ComponentLink6Description=https://datasheet.ciiva.com/22673/1678782-22673487.pdf, ComponentLink6URL=https://datasheet.ciiva.com/22673/1678782-22673487.pdf, ComponentLink7Description=https://datasheet.ciiva.com/46373/1678782-46373215.pdf, ComponentLink7URL=https://datasheet.ciiva.com/46373/1678782-46373215.pdf, Description1="Res Thick Film 0402 102K Ohm 1% 0.1W(1/10W) ±100ppm/C Molded SMD Automotive T/R", Packaging="Full Reel", Pricing 1="1=0.1, 10=0.056, 100=0.0227, 1000=0.0102, 2500=0.0089, 5000=0.0073 (USD)", Product Range="PANASONIC - ERJ Series", Stock 1=276077, Supplier 1=Digi-Key, SVHC="To Be Advised"